# KiCad board cell-sim.kicad_pcb (continued)
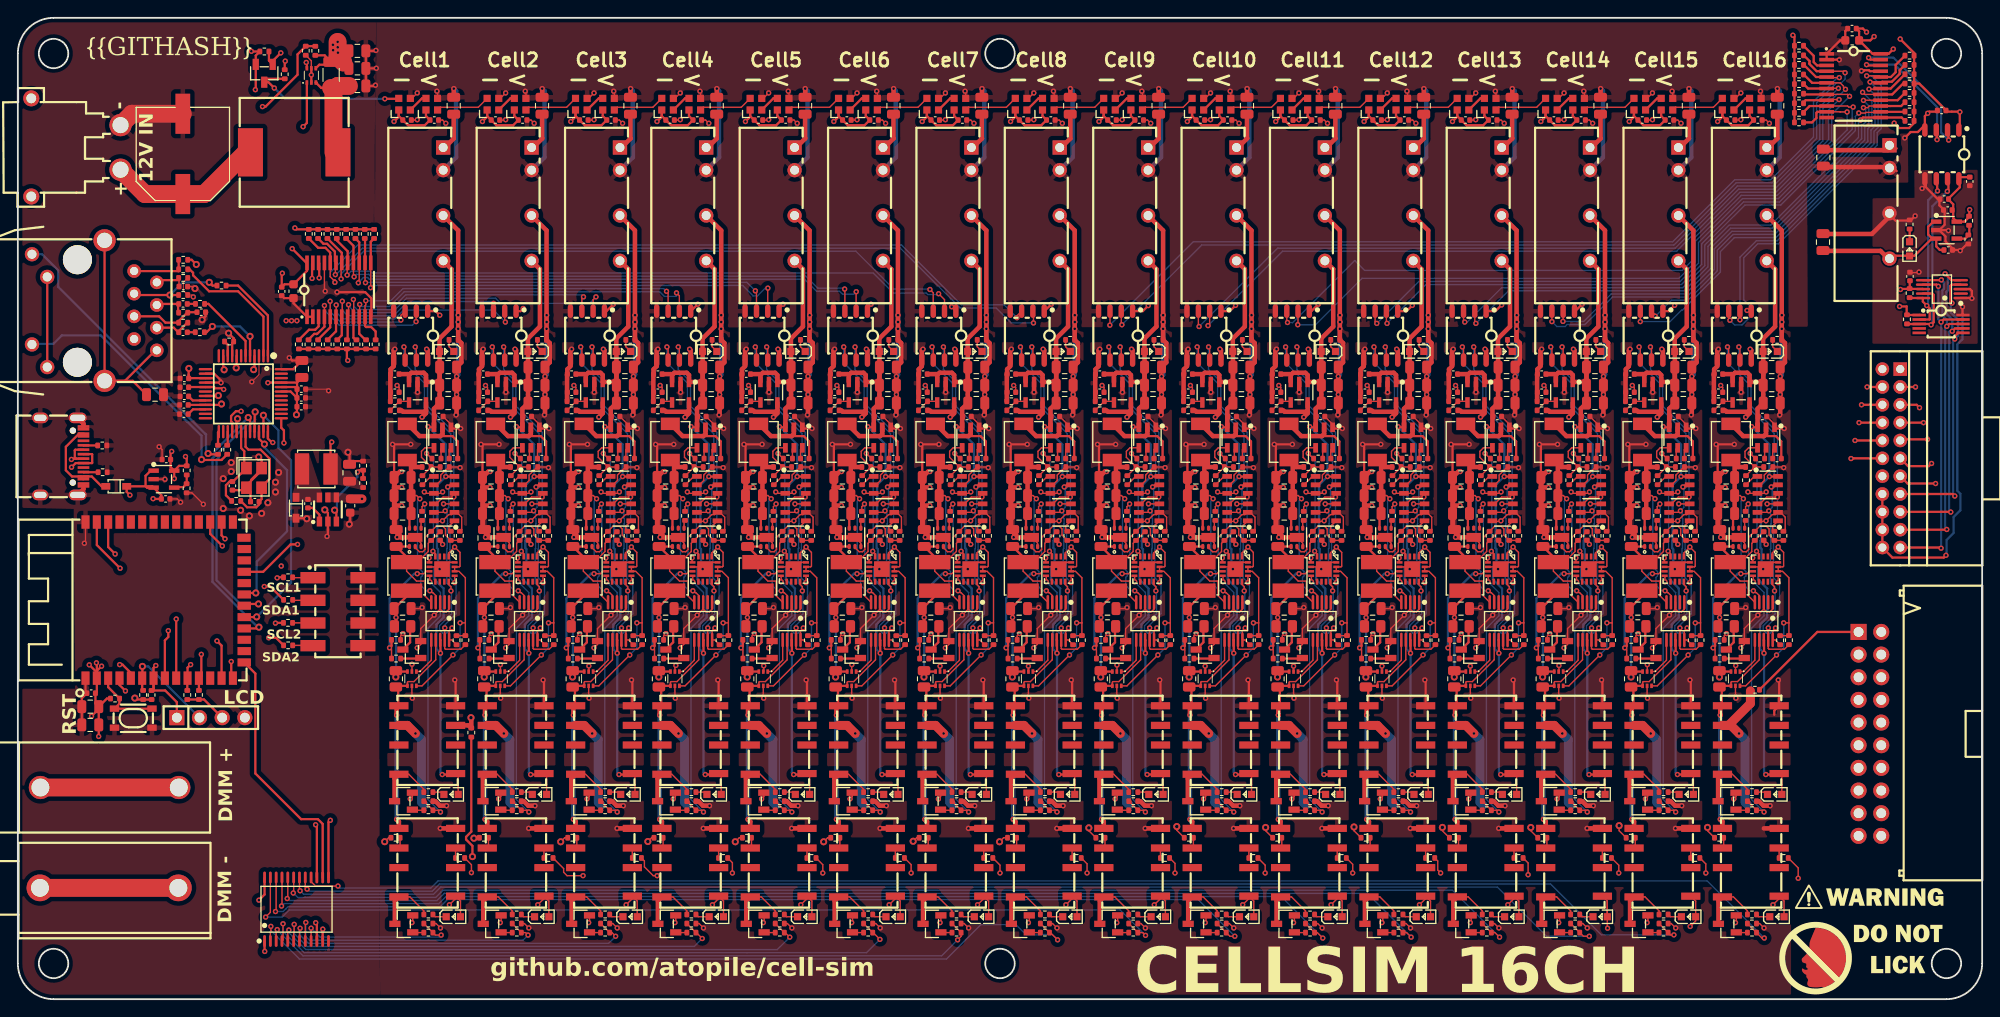
[diagram p0: board, top side]
## Routing (per net, layer and track width the routed paths; a pad name or vN(x,y) marks a point on that pad's centre or on a via; arc(x,y) is an arc through that point) (continued)
cell4.voltage_led.ic-vcc: length 2.3
  Top w0.25: U76.2 74.72,100.97 U75.4
CELL4_3V3_VCC: length 34.1
  Top w0.15: 79.58,42.18 79.58,47.24 78.86,47.96 U73.14 U73.15 78.9,48.46 78.98,48.54 78.98,50.08 v2(78.38,50.69) 77.72,50.03 U73.1 ; 79.58,42.18 v2(78.99,42.18) ; 79.58,42.18 R163.2 79.57,40.74 R164.2 ; U68.3 77.14,55.52 v2(77.13,55.52) ; C104.1 72.16,68.57 v2(71.93,68.79) ; v2(74.98,56.86) 75.14,56.7 U66.3 76.87,56.7 v2(77.03,56.86) ; U70.6 74.73,35.12 v2(78.19,38.58)
  Top w0.5: U74.8 75.36,72.74 v2(75.24,72.86) ; v2(74.73,65.24) 75.17,65.68 75.17,66 ; 75.17,66 75.01,65.84 72.6,65.84 72.44,66 ; 75.17,66 U77.5
  Bottom w0.15: v2(78.19,38.58) 78.99,39.38 v2(78.99,42.18)
CELL4_5V_VCC: length 77.2
  Top w0.15: 76.7,70.85 C90.1 ; LED12.2 78.78,25 U71.1
  Top w0.25: v2(76.79,38.78) 76.79,40.24 U65.8 ; v2(75.39,64.18) 75.47,64.1 U67.3 76.06,65.25 C93.1 ; v2(77.39,58.58) 78.34,58.58 U66.6 ; v2(76.99,25.18) 78.38,25.18 U71.1
  Top w0.5: 72.41,70.06 73.16,70.06 73.27,69.96 ; 76.7,70.06 C91.1 76.06,66.19 U67.3 ; 76.7,70.06 76.7,72.59 LED11.2 76.68,74.05 78.03,75.4 78.03,81.83 U64.6 ; 76.7,70.06 76.7,68.83 C92.1 76.34,69.18 U77.1 75.17,69.96 74.92,70.21 73.53,70.21 73.27,69.96 ; 73.27,69.96 U77.3
  Bottom w0.25: v2(75.39,64.18) 77.39,62.18 v2(77.39,58.58) 76.44,57.63 76.44,51.43 76.39,51.38 76.39,50.58 76.52,50.44 76.52,48.85 76.12,48.45 76.12,47.05 77.14,46.03 77.14,42.79 76.34,42 76.34,39.23 v2(76.79,38.78) 76.79,25.38 v2(76.99,25.18)
CELL4_BUCK_ENABLE: length 12.8
  Top w0.15: R148.1 75.81,60.6 v2(75.24,61.17) ; U73.4 76.22,49.94 v2(75.95,50.21)
  Bottom w0.15: v2(75.24,61.17) 76,60.41 76,50.26 v2(75.95,50.21)
CELL4_BUCK_POWER_OUT_VCC: length 24.3
  Top w0.15: U65.4 76.26,45.24 75.93,45.57 75.85,45.57 75.65,45.78 v2(75.6,45.78) ; C94.1 74.11,56.45 v2(74.47,56.09)
  Top w0.25: U69.6 73.32,54.25 C95.1 ; 73.64,58.63 C96.1
  Top w0.5: C95.1 73.5,60.01 L9.2 73.86,59.65 R146.1
  Bottom w0.15: v2(75.6,45.78) 75.19,45.78 74.59,46.38 74.59,47.28 74.76,47.45 74.76,47.93 74.43,48.27 74.3,48.27 74.22,48.35 74.22,55.84 v2(74.47,56.09)
CELL4_CURRENT_SENSE_OUTPUT: length 4.5
  Top w0.15: U70.1 74.49,36.72 75.76,37.99 U65.6
CELL4_CURRENT_SENSE_POWER_OUT_VCC: length 24.3
  Top w0.15: U70.4 73.09,35.52 73.16,35.6 73.81,35.6 76.26,38.04 U65.7
  Top w0.25: 71.81,35 72.06,34.75 72.06,32.89 ; R153.2 71.92,35.12 U70.4
  Top w0.5: v2(71.88,31.84) 71.88,32.64 U71.5 ; U72.5 72.13,19.91 v2(71.88,20.16)
  Bottom w0.5: v2(71.88,20.16) v2(71.88,31.84)
CELL4_DMM_RELAY_CONTROL: length 52
  Top w0.15: v2(76.65,6.8) 75.99,7.46 R158.1 74.93,8.48 R159.1 ; v2(30.95,8.38) 30.95,7.6 30.89,7.54 U16.6
  Bottom w0.15: v2(76.65,6.8) 75.76,5.91 32.39,5.91 30.95,7.35 v2(30.95,8.38)
CELL4_FILTER_POWER_OUT_VCC: length 134.4
  Top w0.15: v2(88.5,67.78) 88.5,67.78 C108.2 ; C116.2 84.5,43.78 v2(84.63,43.9) ; R186.2 82.22,40.72 v2(82.49,40.98) ; U87.6 86.62,48.46 U87.17 87.62,48.96 U87.16 87.76,48.96 87.01,48.21 v2(86.59,48.21) ; U80.2 86.22,57.65 86.71,58.14 86.71,58.75 87.62,59.65 R172.2 88.82,59.65 v2(88.89,59.58) ; U81.1 87.86,64.44 C109.2 ; 86.66,51.44 86.66,51.25 v2(86.93,50.98) ; 88.5,65.55 v2(88.44,65.49) ; Q13.2 83.54,22.69 v2(83.3,22.45) ; v2(84.09,39.38) 84.48,39.77 Q15.2 84.48,41.54 v2(85.99,43.05) 86.66,43.72 U79.3 86.66,43.73 86.99,43.4 87.33,43.4 87.66,43.73 U79.1 ; v2(83.54,37.37) 83.54,36.77 U84.2 ; R176.2 89.06,52.65 89.06,54.03 88.52,54.57 U82.2 88.18,54.57 87.93,54.32 87.61,54.32 v2(86.91,53.62) 86.85,53.55 85.9,53.55 85.95,53.61 U82.6 ; U83.3 84.52,51.11 U83.7 ; U84.5 83.49,33.78 v2(83.53,33.74) ; C110.2 81.49,56.52 ; 81.68,58.48 C112.2 81.72,58.25 C115.2 81.72,51.88 v2(81.83,51.78) ; C111.2 81.49,55.1 81.72,55.33 ; C106.2 v2(88.5,69.81)
  Top w0.25: v2(88.95,63.97) 88,63.97 U81.1 ; v1(71.79,36.11) 71.8,36.11 R153.1 71.9,36.72 U70.3 ; C112.2 81.49,62.02 v2(81.33,62.19) v2(83.36,62.19) ; U85.4 88.38,35.69 v2(88.29,35.78) ; 71.81,42.02 v2(71.81,42.78) 71.81,43.58 71.61,43.78 73.01,45.18 73.01,45.79
  Top w0.5: 81.68,58.48 81.68,58.67 82.15,59.14 v2(82.34,59.14) ; 82.34,51.76 81.85,51.76 v2(81.83,51.78) ; 82.34,51.76 U83.7 ; 82.34,51.76 81.49,52.61 C112.2 ; 88.67,76.67 88.67,75.91 ; 88.67,76.67 88.67,86.17 U78.4 ; 88.67,76.67 v2(88.68,76.67) ; 88.67,75.91 v2(88.68,75.91) ; 88.67,75.91 R169.2 89.03,73.54 89.03,71.38 C106.2 ; 81.49,56.52 81.49,57.36 v2(82.34,57.36) ; U91.2 v2(84.12,68.03) ; v2(88.5,69.81) v2(88.5,67.78) C107.2 88.5,65.55 ; R191.2 81.07,70.03 C119.2 81.1,70.6 81.45,70.95 U88.5 81.45,72.73 v2(81.58,72.86) ; U86.4 v2(86.67,19.14) ; 81.72,55.33 v2(82.34,55.33) ; v2(87.37,21.68) 86.62,21.68 86.12,22.19 R181.2
  In1.Cu w0.15: v2(83.53,33.74) 83.54,33.74
  In1.Cu w1: 83.54,33.74 v2(83.54,37.37)
  In2.Cu w0.25: v2(83.53,33.74) 82.72,34.55 73.35,34.55 v1(71.79,36.11)
  Bottom w0.25: v1(71.79,36.11) 71.81,36.13 v2(71.81,42.78)
  Bottom w0.5: v2(88.5,69.81) 88.68,69.99 v2(88.68,76.67)
  vias: v2(88.67,75.14)
CELL4_I2C_SCL: length 44.2
  Top w0.15: v2(72.7,73.11) 72.83,72.98 U74.6 ; v2(77.6,57.41) 77.84,57.65 U66.5 ; U73.12 77.72,46.49 77.96,46.24 v2(77.96,45.76) ; v2(78.08,41.61) 77.76,41.29 U65.10 78.05,40.27 R164.1 ; v2(77.32,54.74) 77.15,54.57 U68.5
  Bottom w0.15: v2(78.08,41.61) 77.51,41.04 77.03,41.04 76.69,41.38 76.69,41.85 78.03,43.19 78.03,45.7 v2(77.96,45.76) 77.96,46.17 77.5,46.64 77.5,50.48 77.55,50.53 77.55,53.27 77.59,53.31 77.59,53.86 77.52,53.93 77.52,54.54 v2(77.32,54.74) 77.71,55.13 77.71,57.14 77.93,57.36 77.93,63.39 74.98,66.35 74.98,69.05 72.7,71.33 v2(72.7,73.11)
CELL4_I2C_SDA: length 44
  Top w0.15: U68.4 76.33,55.52 77.09,56.28 v2(78.28,56.28) ; R163.1 79.07,39.23 77.34,39.23 77.26,39.31 U65.9 77.26,41.61 v2(77.27,41.62) ; v2(78.38,46.7) U73.13 ; v2(73.97,73.11) 74.09,72.99 U74.7
  Bottom w0.15: v2(77.27,41.62) 77.27,41.93 78.54,43.2 78.54,46.53 v2(78.38,46.7) 77.85,47.23 77.85,50.4 77.85,50.41 77.85,53.15 78.28,53.58 v2(78.28,56.28) 78.28,63.54 75.33,66.49 75.33,69.21 73.97,70.57 v2(73.97,73.11)
CELL4_LDO_ENABLE: length 7.7
  Top w0.15: R152.1 74.72,55.21 v2(75.02,55.51) ; v2(75.52,49.46) 75.52,49 U73.5
  Bottom w0.15: v2(75.52,49.46) 75.05,49.93 75.05,55.48 v2(75.02,55.51)
CELL4_LDO_POWER_OUT_VCC: length 15.6
  Top w0.15: U65.5 75.02,45.23 75.02,46.87 74.1,46.87 73,47.97 L10.1 74.23,48.99 75.42,50.18 75.42,51.1 R150.1 76.72,52.4 76.76,52.4
  Top w0.25: 73.01,48.99 73.01,49.56 C99.1 71.84,50.73 U69.1
CELL4_OUTPUT_RELAY_CONTROL: length 30.4
  Top w0.15: U73.8 75.59,47.43 v2(75.59,46.78) ; 75.94,21.18 75.18,21.94 75.18,22.19 ; R155.1 76.59,21.18 v2(76.79,20.98)
  Bottom w0.15: v2(75.59,46.78) 76.79,45.58 76.79,42.98 75.39,41.58 75.39,22.38 v2(76.79,20.98)
cell5-led_data: length 6.1
  Top w0.15: U104.4 90.92,99.97 86.67,99.97 U89.2
cell5-vcc: length 186.1
  Top w0.25: v2(206.21,64.62) U247.8
  Top w1: v2(83.89,29.78) 82.98,30.69 U85.6
  In1.Cu w0.5: U246.13 204.64,25.92 195.01,16.29 97.66,16.29 84.17,29.78 v2(83.89,29.78)
  In2.Cu w0.25: U246.13 203.58,28.5 203.58,43.19 206.39,46 206.39,64.45 v2(206.21,64.62)
  Bottom w1: 84.89,21.75 84.56,22.08 84.56,29.11 v2(83.89,29.78)
cell5.buck.ctrl_resistor-vfb: length 6.2
  Top w0.15: R172.1 R171.2 ; R171.2 85.63,59.65 R170.2 ; R171.2 84.56,60.73 84.56,61.41 84.95,61.8 U81.4
cell5.buck.dac-vout: length 1.7
  Top w0.15: U80.1 85.61,58.6 R170.1
cell5.buck.regulator-en: length 1.3
  Top w0.15: R173.2 86.75,61.64 U81.5
cell5.buck.regulator-sw: length 9.5
  Top w0.25: 86.68,63.12 88.02,63.12 88.62,62.52 C113.2
  Top w0.5: U81.2 86.91,63.35 86.68,63.12 84.35,63.12 L11.1
cell5.buck.regulator-vbst: length 1.3
  Top w0.15: C113.1 87.66,61.6 U81.6
cell5.dmm_relay-gnd: length 1.1
  Top w0.15: R193.1 88.38,16.94 U86.3
cell5.dmm_relay-vcc: length 1.2
  Top w0.15: R192.1 82.16,17.08 U86.6
cell5.dmm_relay.fet-gate: length 1.3
  Top w0.15: Q14.1 83.61,7.46 R183.2
cell5.dmm_relay.indicator_led.resistor-cathode: length 1.6
  Top w0.15: R182.1 86.1,9.24 LED16.1
cell5.dmm_relay.relay-gnd: length 7.1
  Top w0.15: U86.8 83.26,11.46 84.83,9.9 R182.2
  Top w0.5: U86.8 81.58,11.01 Q14.3
cell5.gpio-p4: length 13.5
  Top w0.15: R185.1 81.21,39.16 v2(80.99,39.38) ; U87.7 85.07,47.96 84.8,47.69 v2(84.09,47.69)
  Top w0.25: R186.1 81.2,39.6 v2(80.99,39.38)
  Bottom w0.25: v2(80.99,39.38) 80.99,44.92 83.75,47.69 v2(84.09,47.69)
cell5.internal_ldo.feedback_div-out: length 2.6
  Top w0.15: U91.4 83.04,67.02 R191.1 82.09,67.02 R190.2
cell5.isolated_converter.led.resistor-cathode: length 1.5
  Top w0.15: LED14.1 87.65,73.13 R169.1
cell5.ldo.ctrl_resistor-fb: length 8.5
  Top w0.15: 83.87,50.56 U83.2 83.87,50.61 84.32,50.15 84.7,50.15 84.97,50.42 84.97,51.77 R175.2 86.24,53.05 86.91,53.05 87.25,52.71 87.25,52.02 R174.2 ; 88.65,51.43 87.64,51.43
cell5.ldo.dac-vout: length 1.4
  Top w0.15: U82.1 87.64,53 87.64,52.44
cell5.ldo.regulator-en: length 0.9
  Top w0.15: U83.4 84.52,53.56 R177.2
cell5.load_switch.fet-gate: length 2.3
  Top w0.25: Q15.1 84.42,38.18 R185.2
cell5.load_switch.fet-n: length 3
  Top w0.25: Q15.3 83.29,40 83.29,41.72 R187.2
cell5.output_relay.fet-gate: length 1.6
  Top w0.15: 85.08,21.18 83.61,21.18 Q13.1
cell5.output_relay.indicator_led.resistor-cathode: length 1.3
  Top w0.15: R179.1 86.82,23.21 LED15.1
cell5.output_relay.relay-gnd: length 7
  Top w0.15: U85.8 83.14,25.21 84.83,23.53 R179.2
  Top w0.5: U85.8 81.54,24.72 Q13.3
cell5.voltage_led.ic-vcc: length 2.3
  Top w0.25: U89.4 84.62,100.97 U90.2
CELL5_3V3_VCC: length 34.1
  Top w0.15: 89.48,42.18 R188.2 89.47,40.74 R189.2 ; 89.48,42.18 v2(88.89,42.18) ; 89.48,42.18 89.48,47.24 88.76,47.96 U87.14 U87.15 88.8,48.46 88.88,48.54 88.88,50.08 v2(88.28,50.69) 87.62,50.03 U87.1 ; v2(81.83,68.79) 82.06,68.57 C120.1 ; U82.3 87.04,55.52 v2(87.03,55.52) ; v2(86.93,56.86) 86.77,56.7 U80.3 85.04,56.7 v2(84.88,56.86) ; v2(88.09,38.58) 84.63,35.12 U84.6
  Top w0.5: 85.07,66 84.91,65.84 82.5,65.84 82.34,66 ; 85.07,66 U91.5 ; 85.07,66 85.07,65.68 v2(84.63,65.24) ; U88.8 85.26,72.74 v2(85.14,72.86)
  Bottom w0.15: v2(88.09,38.58) 88.89,39.38 v2(88.89,42.18)
CELL5_5V_VCC: length 77.2
  Top w0.15: U85.1 88.68,25 LED15.2 ; 86.6,70.85 C106.1
  Top w0.25: U80.6 88.23,58.58 v2(87.29,58.58) ; U85.1 88.27,25.18 v2(86.89,25.18) ; C109.1 85.96,65.25 U81.3 85.37,64.1 v2(85.29,64.18) ; v2(86.69,38.78) 86.69,40.24 U79.8
  Top w0.5: 83.17,69.96 83.06,70.06 82.31,70.06 ; 83.17,69.96 83.42,70.21 84.81,70.21 85.07,69.96 U91.1 86.24,69.18 C108.1 86.6,68.83 86.6,70.06 ; 83.17,69.96 U91.3 ; 86.6,70.06 86.6,72.59 LED14.2 86.58,74.05 87.93,75.4 87.93,81.83 U78.6 ; 86.6,70.06 C107.1 85.96,66.19 U81.3
  Bottom w0.25: v2(85.29,64.18) 87.29,62.18 v2(87.29,58.58) 86.34,57.63 86.34,51.43 86.29,51.38 86.29,50.58 86.42,50.44 86.42,48.85 86.02,48.45 86.02,47.05 87.04,46.03 87.04,42.79 86.24,42 86.24,39.23 v2(86.69,38.78) 86.69,25.38 v2(86.89,25.18)
CELL5_BUCK_ENABLE: length 12.8
  Top w0.15: v2(85.85,50.21) 86.12,49.94 U87.4 ; v2(85.14,61.17) 85.71,60.6 R173.1
  Bottom w0.15: v2(85.14,61.17) 85.9,60.41 85.9,50.26 v2(85.85,50.21)
CELL5_BUCK_POWER_OUT_VCC: length 24.3
  Top w0.15: C110.1 84.01,56.45 v2(84.37,56.09) ; U79.4 86.16,45.24 85.83,45.57 85.75,45.57 85.55,45.78 v2(85.5,45.78)
  Top w0.25: U83.6 83.22,54.25 C111.1 ; 83.54,58.63 C112.1
  Top w0.5: C111.1 83.39,60.01 L11.2 83.76,59.65 R171.1
  Bottom w0.15: v2(85.5,45.78) 85.09,45.78 84.49,46.38 84.49,47.28 84.66,47.45 84.66,47.93 84.33,48.27 84.2,48.27 84.12,48.35 84.12,55.84 v2(84.37,56.09)
CELL5_CURRENT_SENSE_OUTPUT: length 4.5
  Top w0.15: U79.6 85.66,37.99 84.39,36.72 U84.1
CELL5_CURRENT_SENSE_POWER_OUT_VCC: length 24.3
  Top w0.15: U79.7 86.16,38.04 83.71,35.6 83.06,35.6 82.99,35.52 U84.4
  Top w0.25: R178.2 81.82,35.12 U84.4 ; 81.96,32.89 81.96,34.75 81.71,35
  Top w0.5: U85.5 81.78,32.64 v2(81.78,31.84) ; v2(81.78,20.16) 82.03,19.91 U86.5
  Bottom w0.5: v2(81.78,20.16) v2(81.78,31.84)
CELL5_DMM_RELAY_CONTROL: length 61.3
  Top w0.15: R184.1 84.83,8.48 R183.1 85.94,7.46 v2(86.45,6.95) ; U16.5 30.23,7.63 v2(30.35,7.75)
  Bottom w0.15: v2(86.45,6.95) 85.06,5.56 32.24,5.56 30.35,7.45 v2(30.35,7.75)
CELL5_FILTER_POWER_OUT_VCC: length 134.7
  Top w0.15: v2(93.43,33.74) 93.39,33.78 U98.5 ; C132.2 94.4,43.78 v2(94.53,43.9) ; C122.2 v2(98.4,69.81) ; v2(98.4,67.78) 98.39,67.78 C124.2 ; C125.2 97.76,64.44 U95.1 ; 96.55,51.44 96.55,51.25 v2(96.82,50.98) ; 91.62,55.33 91.39,55.1 C127.2 ; v2(93.4,37.5) 93.39,37.49 U98.2 ; v2(92.39,40.98) 92.12,40.72 R211.2 ; U97.7 94.41,51.11 U97.3 ; v2(91.73,51.78) 91.62,51.88 C131.2 91.62,58.25 C128.2 91.58,58.48 ; v2(98.79,59.58) 98.72,59.65 R197.2 97.51,59.65 96.61,58.75 96.61,58.14 96.12,57.65 U94.2 ; v2(93.99,39.38) 94.38,39.77 Q18.2 94.38,41.54 v2(95.88,43.05) 96.56,43.72 U93.3 96.56,43.73 96.89,43.4 97.23,43.4 97.56,43.73 U93.1 ; U101.6 96.51,48.46 U101.17 97.51,48.96 U101.16 97.65,48.96 96.9,48.21 v2(96.49,48.21) ; C126.2 91.39,56.52 ; Q16.2 93.44,22.69 v2(93.2,22.45) ; 98.4,65.55 v2(98.34,65.49) ; U96.6 95.85,53.61 95.8,53.55 96.74,53.55 v2(96.81,53.62) 96.81,53.62 97.51,54.32 97.83,54.32 98.08,54.57 U96.2 98.42,54.57 98.96,54.03 98.96,52.65 R201.2
  Top w0.25: v1(81.69,36.11) 81.69,36.11 R178.1 81.79,36.72 U84.3 ; U95.1 97.9,63.97 v2(98.84,63.97) ; v2(93.26,62.19) v2(91.22,62.19) 91.39,62.02 C128.2 ; U99.4 98.28,35.69 v2(98.19,35.78) ; 82.91,45.79 82.91,45.18 81.51,43.78 81.71,43.58 v2(81.71,42.78) 81.71,42.02
  Top w0.5: U105.2 v2(94.02,68.03) ; 91.39,56.52 91.39,57.36 v2(92.24,57.36) ; v2(91.48,72.86) 91.35,72.73 U102.5 91.35,70.95 91,70.6 C135.2 90.97,70.03 R216.2 ; C128.2 91.39,52.61 92.24,51.76 ; 91.62,55.33 v2(92.24,55.33) ; R206.2 96.01,22.19 96.52,21.68 v2(97.27,21.68) ; v2(92.24,59.14) 92.05,59.14 91.58,58.67 91.58,58.48 ; U100.4 v2(96.57,19.14) ; v2(98.4,69.81) v2(98.4,67.78) C123.2 98.4,65.55 ; 98.57,75.91 R194.2 98.93,73.54 98.93,71.38 C122.2 ; 98.57,75.91 98.57,76.67 ; 98.57,75.91 v2(98.58,75.91) ; v2(91.73,51.78) 91.75,51.76 92.24,51.76 ; 98.57,76.67 v2(98.58,76.67) ; 98.57,76.67 98.57,86.17 U92.4 ; 92.24,51.76 U97.7
  In1.Cu w0.15: 93.43,37.47 v2(93.4,37.5) 93.35,37.55
  In1.Cu w1: v2(93.43,33.74) 93.43,37.47
  In2.Cu w0.25: v2(93.43,33.74) 92.01,35.16 82.64,35.16 v1(81.69,36.11)
  Bottom w0.25: v1(81.69,36.11) 81.71,36.13 v2(81.71,42.78)
  Bottom w0.5: v2(98.4,69.81) 98.58,69.99 v2(98.58,76.67)
  vias: v2(98.57,75.14)
CELL5_I2C_SCL: length 44.2
  Top w0.15: U82.5 87.05,54.57 v2(87.22,54.74) ; v2(87.5,57.41) 87.74,57.65 U80.5 ; v2(87.97,41.61) 87.66,41.29 U79.10 87.95,40.27 R189.1 ; v2(87.86,45.76) 87.86,46.24 87.62,46.49 U87.12 ; v2(82.6,73.11) 82.73,72.98 U88.6
  Bottom w0.15: v2(87.97,41.61) 87.41,41.04 86.93,41.04 86.59,41.38 86.59,41.85 87.93,43.19 87.93,45.7 v2(87.86,45.76) 87.86,46.17 87.4,46.64 87.4,50.48 87.45,50.53 87.45,53.27 87.49,53.31 87.49,53.86 87.42,53.93 87.42,54.54 v2(87.22,54.74) 87.61,55.13 87.61,57.14 87.83,57.36 87.83,63.39 84.88,66.35 84.88,69.05 82.6,71.33 v2(82.6,73.11)
CELL5_I2C_SDA: length 44
  Top w0.15: U88.7 83.99,72.99 v2(83.87,73.11) ; R188.1 88.97,39.23 87.24,39.23 87.16,39.31 U79.9 87.16,41.61 v2(87.17,41.62) ; U82.4 86.22,55.52 86.99,56.28 v2(88.18,56.28) ; v2(88.28,46.7) U87.13
  Bottom w0.15: v2(83.87,73.11) 83.87,70.57 85.23,69.21 85.23,66.49 88.18,63.54 v2(88.18,56.28) 88.18,53.58 87.75,53.15 87.75,50.41 87.75,50.4 87.75,47.23 v2(88.28,46.7) 88.44,46.53 88.44,43.2 87.17,41.93 v2(87.17,41.62)
CELL5_LDO_ENABLE: length 7.7
  Top w0.15: v2(84.92,55.51) 84.62,55.21 R177.1 ; U87.5 85.41,49 v2(85.41,49.46)
  Bottom w0.15: v2(84.92,55.51) 84.95,55.48 84.95,49.93 v2(85.41,49.46)
CELL5_LDO_POWER_OUT_VCC: length 15.6
  Top w0.15: U79.5 84.92,45.23 84.92,46.87 84,46.87 82.89,47.97 L12.1 84.13,48.99 85.32,50.18 85.32,51.1 R175.1 86.62,52.4 86.66,52.4
  Top w0.25: U83.1 81.73,50.73 C115.1 82.91,49.56 82.91,48.99
CELL5_OUTPUT_RELAY_CONTROL: length 30.4
  Top w0.15: v2(85.49,46.78) 85.49,47.43 U87.8 ; 85.84,21.18 85.08,21.94 85.08,22.19 ; v2(86.69,20.98) 86.49,21.18 R180.1
  Bottom w0.15: v2(85.49,46.78) 86.69,45.58 86.69,42.98 85.29,41.58 85.29,22.38 v2(86.69,20.98)
cell6-led_data: length 6.1
  Top w0.15: U103.2 96.56,99.97 100.81,99.97 U118.4
cell6-vcc: length 176.3
  Top w0.25: v2(213.44,64.62) U247.7
  Top w1: U99.6 92.88,30.69 v2(93.79,29.78)
  In1.Cu w0.25: 205.15,27.15 205.1,27.1 ; 205.3,27.15 207.38,27.15 U246.12
  In1.Cu w0.5: v2(93.79,29.78) 93.79,29.61 95.8,27.6 102.31,27.6 112.91,16.99 194.72,16.99 204.83,27.1 205.1,27.1
  In2.Cu w0.25: v2(213.44,64.62) 213.26,64.45 213.26,49.3 211.27,47.32 211.27,31.04 U246.12
  Bottom w1: v2(93.79,29.78) 94.46,29.11 94.46,22.08 94.79,21.75
cell6.buck.ctrl_resistor-vfb: length 6.2
  Top w0.15: R195.2 95.53,59.65 R196.2 ; R196.2 94.46,60.73 94.46,61.41 94.85,61.8 U95.4 ; R196.2 R197.1
cell6.buck.dac-vout: length 1.7
  Top w0.15: R195.1 95.5,58.6 U94.1
cell6.buck.regulator-en: length 1.3
  Top w0.15: U95.5 96.65,61.64 R198.2
cell6.buck.regulator-sw: length 9.5
  Top w0.25: 96.58,63.12 97.92,63.12 98.52,62.52 C129.2
  Top w0.5: U95.2 96.81,63.35 96.58,63.12 94.25,63.12 L13.1
cell6.buck.regulator-vbst: length 1.3
  Top w0.15: C129.1 97.56,61.6 U95.6
cell6.dmm_relay-gnd: length 1.1
  Top w0.15: R218.1 98.28,16.94 U100.3
cell6.dmm_relay-vcc: length 1.2
  Top w0.15: R217.1 92.06,17.08 U100.6
cell6.dmm_relay.fet-gate: length 1.3
  Top w0.15: R208.2 93.51,7.46 Q17.1
cell6.dmm_relay.indicator_led.resistor-cathode: length 1.6
  Top w0.15: LED19.1 96,9.24 R207.1
cell6.dmm_relay.relay-gnd: length 7.1
  Top w0.15: U100.8 93.16,11.46 94.72,9.9 R207.2
  Top w0.5: Q17.3 91.48,11.01 U100.8
cell6.gpio-p4: length 13.5
  Top w0.15: v2(90.88,39.38) 91.11,39.16 R210.1 ; v2(93.99,47.69) 94.7,47.69 94.96,47.96 U101.7
  Top w0.25: R211.1 91.1,39.6 v2(90.88,39.38)
  Bottom w0.25: v2(90.88,39.38) 90.88,44.92 93.65,47.69 v2(93.99,47.69)
cell6.internal_ldo.feedback_div-out: length 2.6
  Top w0.15: R215.2 91.98,67.02 R216.1 92.93,67.02 U105.4
cell6.isolated_converter.led.resistor-cathode: length 1.5
  Top w0.15: LED17.1 97.55,73.13 R194.1
cell6.ldo.ctrl_resistor-fb: length 8.5
  Top w0.15: 93.76,50.56 U97.2 93.76,50.61 94.22,50.15 94.6,50.15 94.87,50.42 94.87,51.77 R200.2 96.14,53.05 96.81,53.05 97.15,52.71 97.15,52.02 R199.2 ; 98.55,51.43 97.54,51.43
cell6.ldo.dac-vout: length 1.4
  Top w0.15: U96.1 97.54,53 97.54,52.44
cell6.ldo.regulator-en: length 0.9
  Top w0.15: R202.2 94.41,53.56 U97.4
cell6.load_switch.fet-gate: length 2.3
  Top w0.25: R210.2 94.32,38.18 Q18.1
cell6.load_switch.fet-n: length 3
  Top w0.25: Q18.3 93.19,40 93.19,41.72 R212.2
cell6.output_relay.fet-gate: length 1.6
  Top w0.15: 94.98,21.18 93.51,21.18 Q16.1
cell6.output_relay.indicator_led.resistor-cathode: length 1.3
  Top w0.15: R204.1 96.72,23.21 LED18.1
cell6.output_relay.relay-gnd: length 7
  Top w0.15: R204.2 94.72,23.53 93.04,25.21 U99.8
  Top w0.5: Q16.3 91.44,24.72 U99.8
cell6.voltage_led.ic-vcc: length 2.3
  Top w0.25: U104.2 94.52,100.97 U103.4
CELL6_3V3_VCC: length 34.1
  Top w0.15: v2(97.99,38.58) 94.53,35.12 U98.6 ; U96.3 96.94,55.52 v2(96.93,55.52) ; 99.37,42.18 R213.2 99.36,40.74 R214.2 ; 99.37,42.18 99.37,47.24 98.65,47.96 U101.14 U101.15 98.69,48.46 98.78,48.54 98.78,50.08 v2(98.17,50.69) 97.51,50.03 U101.1 ; 99.37,42.18 v2(98.79,42.18) ; v2(94.78,56.86) 94.94,56.7 U94.3 96.67,56.7 v2(96.83,56.86) ; C136.1 91.96,68.57 v2(91.73,68.79)
  Top w0.5: U105.5 94.97,66 ; 94.97,66 94.81,65.84 92.4,65.84 92.24,66 ; 94.97,66 94.97,65.68 v2(94.53,65.24) ; v2(95.03,72.86) 95.16,72.74 U102.8
  Bottom w0.15: v2(98.79,42.18) 98.79,39.38 v2(97.99,38.58)
CELL6_5V_VCC: length 77.2
  Top w0.15: LED18.2 98.57,25 U99.1 ; 96.49,70.85 C122.1
  Top w0.25: C125.1 95.86,65.25 U95.3 95.27,64.1 v2(95.19,64.18) ; U93.8 96.59,40.24 v2(96.59,38.78) ; U94.6 98.13,58.58 v2(97.19,58.58) ; U99.1 98.17,25.18 v2(96.79,25.18)
  Top w0.5: U95.3 95.86,66.19 C123.1 96.5,70.06 ; 96.5,70.06 96.5,68.83 C124.1 96.14,69.18 U105.1 94.97,69.96 94.71,70.21 93.32,70.21 93.07,69.96 ; 96.5,70.06 96.5,72.59 LED17.2 96.48,74.05 97.83,75.4 97.83,81.83 U92.6 ; 93.07,69.96 92.96,70.06 92.21,70.06 ; 93.07,69.96 U105.3
  Bottom w0.25: v2(96.79,25.18) 96.59,25.38 v2(96.59,38.78) 96.14,39.23 96.14,42 96.94,42.79 96.94,46.03 95.92,47.05 95.92,48.45 96.32,48.85 96.32,50.44 96.19,50.58 96.19,51.38 96.24,51.43 96.24,57.63 v2(97.19,58.58) 97.19,62.18 v2(95.19,64.18)
CELL6_BUCK_ENABLE: length 12.8
  Top w0.15: v2(95.74,50.21) 96.01,49.94 U101.4 ; v2(95.03,61.17) 95.61,60.6 R198.1
  Bottom w0.15: v2(95.74,50.21) 95.8,50.26 95.8,60.41 v2(95.03,61.17)
CELL6_BUCK_POWER_OUT_VCC: length 24.3
  Top w0.15: C126.1 93.91,56.45 v2(94.27,56.09) ; v2(95.4,45.78) 95.44,45.78 95.65,45.57 95.73,45.57 96.06,45.24 U93.4
  Top w0.25: C127.1 93.11,54.25 U97.6 ; 93.44,58.63 C128.1
  Top w0.5: R196.1 93.65,59.65 L13.2 93.29,60.01 C127.1
  Bottom w0.15: v2(94.27,56.09) 94.02,55.84 94.02,48.35 94.1,48.27 94.22,48.27 94.56,47.93 94.56,47.45 94.39,47.28 94.39,46.38 94.99,45.78 v2(95.4,45.78)
CELL6_CURRENT_SENSE_OUTPUT: length 4.5
  Top w0.15: U98.1 94.28,36.72 95.56,37.99 U93.6
CELL6_CURRENT_SENSE_POWER_OUT_VCC: length 24.3
  Top w0.15: U93.7 96.06,38.04 93.61,35.6 92.96,35.6 92.89,35.52 U98.4
  Top w0.25: 91.61,35 91.85,34.75 91.85,32.89 ; R203.2 91.72,35.12 U98.4
  Top w0.5: v2(91.68,31.84) 91.68,32.64 U99.5 ; v2(91.68,20.16) 91.93,19.91 U100.5
  Bottom w0.5: v2(91.68,20.16) v2(91.68,31.84)
CELL6_DMM_RELAY_CONTROL: length 73.9
  Top w0.15: R209.1 94.73,8.48 R208.1 95.79,7.46 v2(96.55,6.7) ; U16.4 29.7,6.64 v2(29.7,8.45)
  Bottom w0.15: v2(29.7,8.45) 29.7,7.59 32.08,5.21 95.06,5.21 v2(96.55,6.7)
CELL6_FILTER_POWER_OUT_VCC: length 134.3
  Top w0.15: R236.2 102.02,40.72 v2(102.29,40.98) ; 101.52,55.33 101.29,55.1 C143.2 ; 101.48,58.48 C144.2 101.52,58.25 C147.2 101.52,51.88 v2(101.63,51.78) ; U108.2 106.02,57.65 106.51,58.14 106.51,58.75 107.41,59.65 R222.2 108.62,59.65 v2(108.69,59.58) ; v2(103.89,39.38) 104.28,39.77 Q21.2 104.28,41.54 v2(105.78,43.05) 106.46,43.72 U107.3 106.46,43.73 106.78,43.4 107.13,43.4 107.46,43.73 U107.1 ; C141.2 107.66,64.44 U109.1 ; 106.45,51.44 106.45,51.25 v2(106.72,50.98) ; v2(108.29,67.78) 108.29,67.78 C140.2 ; C148.2 104.3,43.78 v2(104.42,43.9) ; U115.6 106.41,48.46 U115.17 107.41,48.96 U115.16 107.55,48.96 106.8,48.21 v2(106.39,48.21) ; v2(103.1,22.45) 103.34,22.69 Q19.2 ; U110.6 105.75,53.61 105.69,53.55 106.64,53.55 v2(106.71,53.62) 106.71,53.62 107.41,54.32 107.73,54.32 107.98,54.57 U110.2 108.32,54.57 108.86,54.03 108.86,52.65 R226.2 ; 108.29,65.55 v2(108.23,65.49) ; v2(103.33,33.74) 103.29,33.78 U112.5 ; U111.3 104.31,51.11 U111.7 ; C138.2 v2(108.29,69.81) ; C142.2 101.29,56.52 ; v2(103.29,37.33) U112.2
  Top w0.25: 92.81,45.79 92.81,45.18 91.41,43.78 91.61,43.58 v2(91.61,42.78) 91.61,42.02 ; v2(108.09,35.78) 108.18,35.69 U113.4 ; C144.2 101.29,62.02 v2(101.12,62.19) v2(103.15,62.19) ; U109.1 107.79,63.97 v2(108.74,63.97) ; v1(91.59,36.11) 91.59,36.11 R203.1 91.69,36.72 U98.3
  Top w0.5: U106.4 108.47,86.17 108.47,76.67 ; C144.2 101.29,52.61 102.14,51.76 ; 108.47,76.67 v2(108.48,76.67) ; 108.47,76.67 108.47,75.91 ; C138.2 108.83,71.38 108.83,73.54 R219.2 108.47,75.91 ; 108.47,75.91 v2(108.48,75.91) ; U114.4 v2(106.46,19.14) ; v2(108.29,69.81) v2(108.29,67.78) C139.2 108.29,65.55 ; R231.2 105.91,22.19 106.42,21.68 v2(107.16,21.68) ; U111.7 102.14,51.76 ; 102.14,51.76 101.64,51.76 v2(101.63,51.78) ; v2(102.14,59.14) 101.95,59.14 101.48,58.67 101.48,58.48 ; v2(101.38,72.86) 101.24,72.73 U116.5 101.24,70.95 100.9,70.6 C151.2 100.87,70.03 R241.2 ; U119.2 v2(103.92,68.03) ; 101.29,56.52 101.29,57.36 v2(102.14,57.36) ; 101.52,55.33 v2(102.14,55.33)
  In1.Cu w0.15: v2(103.33,33.74) 103.29,33.78
  In1.Cu w1: 103.29,33.78 v2(103.29,37.33)
  In2.Cu w0.25: v2(103.33,33.74) 99.35,33.74 96.98,36.11 v1(91.59,36.11)
  Bottom w0.25: v1(91.59,36.11) 91.61,36.13 v2(91.61,42.78)
  Bottom w0.5: v2(108.48,76.67) 108.48,69.99 v2(108.29,69.81)
  vias: v2(108.47,75.14)
CELL6_I2C_SCL: length 44.2
  Top w0.15: v2(97.87,41.61) 97.56,41.29 U93.10 97.84,40.27 R214.1 ; v2(97.12,54.74) 96.95,54.57 U96.5 ; v2(92.49,73.11) 92.63,72.98 U102.6 ; v2(97.4,57.41) 97.63,57.65 U94.5 ; U101.12 97.51,46.49 97.76,46.24 v2(97.76,45.76)
  Bottom w0.15: v2(92.49,73.11) 92.49,71.33 94.78,69.05 94.78,66.35 97.73,63.39 97.73,57.36 97.51,57.14 97.51,55.13 v2(97.12,54.74) 97.32,54.54 97.32,53.93 97.39,53.86 97.39,53.31 97.35,53.27 97.35,50.53 97.3,50.48 97.3,46.64 97.76,46.17 97.76,45.76 v2(97.76,45.76) 97.83,45.7 97.83,43.19 96.49,41.85 96.49,41.38 96.83,41.04 97.3,41.04 v2(97.87,41.61)
CELL6_I2C_SDA: length 44
  Top w0.15: U102.7 93.89,72.99 v2(93.76,73.11) ; v2(98.08,56.28) 96.89,56.28 96.12,55.52 U96.4 ; v2(98.17,46.7) U101.13 ; v2(97.07,41.62) 97.06,41.61 U93.9 97.06,39.31 97.14,39.23 98.87,39.23 R213.1
  Bottom w0.15: v2(93.76,73.11) 93.76,70.57 95.13,69.21 95.13,66.49 98.08,63.54 v2(98.08,56.28) 98.08,53.58 97.65,53.15 97.65,50.41 97.65,50.4 97.65,47.23 v2(98.17,46.7) 98.34,46.53 98.34,43.2 97.07,41.93 v2(97.07,41.62)
CELL6_LDO_ENABLE: length 7.7
  Top w0.15: v2(94.82,55.51) 94.52,55.21 R202.1 ; U101.5 95.31,49 v2(95.31,49.46)
  Bottom w0.15: v2(95.31,49.46) 94.85,49.93 94.85,55.48 v2(94.82,55.51)
CELL6_LDO_POWER_OUT_VCC: length 15.6
  Top w0.15: U93.5 94.82,45.23 94.82,46.87 93.9,46.87 92.79,47.97 L14.1 94.03,48.99 95.22,50.18 95.22,51.1 R200.1 96.52,52.4 96.55,52.4